# Altium PCB carrier_bak.PcbDoc (part 4 of 5) (continued)
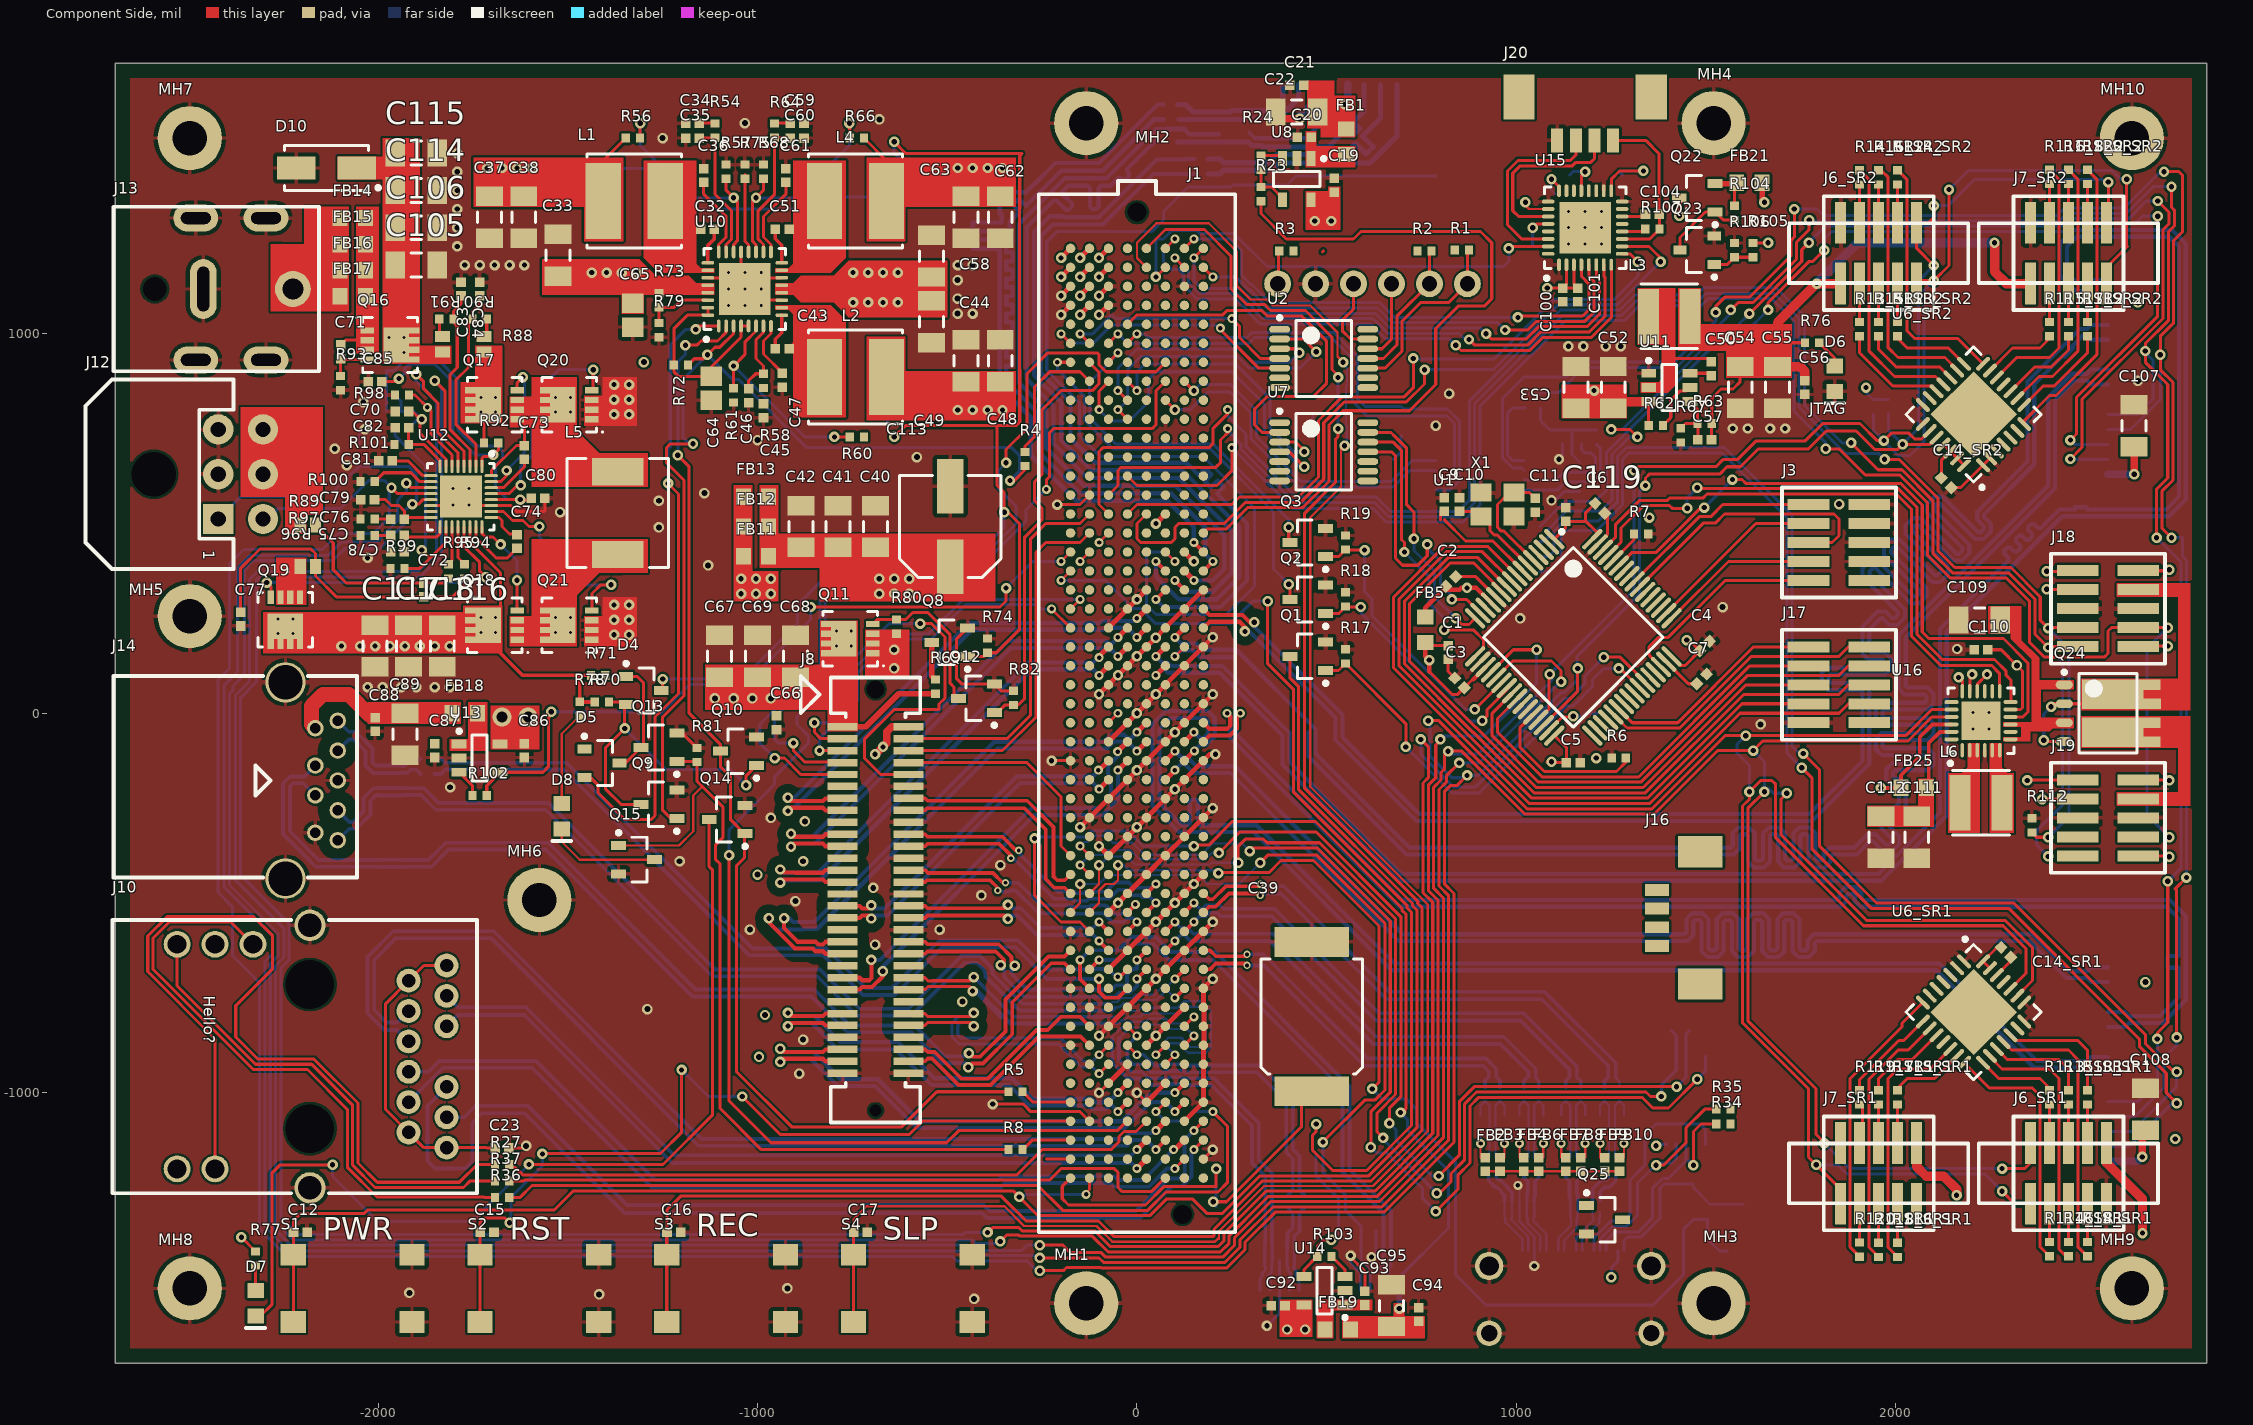
[diagram p0: Component Side view]
## Nets (pads, with @x,y where several pads share a name; then routed paths per layer and width w, separated by ;. In a path a pad name is that pad's centre, name@x,y a point inside that pad or via, vN(x,y) a via of type N, cw(c..) or ccw(c..) an arc to the next point about the centre after c; other vN are vias at no path point) (continued)
  Power_layer1 w20: v1(2385.83,-226.77) 2385.83,-165.35 2314.96,-94.49 2314.96,27.56 2271.65,70.87 2212.6,70.87 2200.79,82.68 v1(2200.79,102.36) 2200.79,114.17 2330.71,244.09 2330.71,259.84 v1(2397.64,326.77)
NetJ18_9: J18.9 J19.9 U16.16 | length 1497.8
  Component Side w8: U16.16@2214.57,58.07 2214.57,76.77 v1(2240.16,102.36) ; J19.9@2639.06,-175.59 2725.98,-175.59 2724.41,-177.16 v1(2720.47,-177.16) ; J18.9@2639.06,375.59 2718.11,375.59 v1(2720.47,377.95)
  Power_layer1 w20: v1(2240.16,102.36) 2300.41,102.36 2312.22,90.55 2350.39,90.55 ; v1(2720.47,-177.16) 2444.88,-177.16 2350.39,-82.68 2350.39,90.55 ; v1(2720.47,377.95) 2622.05,279.53 2401.57,279.53 2366.14,244.09 2366.14,106.3 2350.39,90.55
NetJ18_10: J18.10 J19.10 U16.18 | length 1022
  Component Side w8: v1(2165.35,94.49) 2175.2,84.65 U16.18@2175.2,58.07 ; v1(2346.46,-177.17) 2348.03,-175.59 J19.10@2479.06,-175.59 ; v1(2397.64,374.02) 2477.48,374.02 J18.10@2479.06,375.59
  Power_layer1 w20: v1(2346.46,-177.17) 2346.46,-173.23 2283.46,-110.24 2283.46,15.75 2259.84,39.37 2192.91,39.37 2165.35,66.93 v1(2165.35,94.49) 2165.35,125.98 2291.34,251.97 2291.34,275.59 2389.76,374.02 v1(2397.64,374.02)
NetJ19_7: J19.7 Q24.C2
NetJ20_2: J20.2 U15.27 | length 477.9
  Component Side w8: U15.27@1083.66,1309.06 1005.91,1309.06 990.38,1324.58 990.38,1423.34 1009.74,1442.69 1147.53,1442.69 1156.61,1451.77 1195.87,1451.77 1205.71,1461.61 J20.2@1205.71,1509.84
NetJ20_3: J20.3 U15.30 | length 500.5
  Component Side w8: U15.30@1083.66,1250 1013.78,1250 976.38,1287.4 976.38,1429.13 1003.94,1456.69 1141.73,1456.69 1156.5,1471.46 J20.3@1156.5,1509.84
NetL6_1: L6.1 U16.5 U16.6
NetL6_2: L6.2 U16.2 U16.3
NetQ5_D: Q5.D R55.2 | length 51.6
  Solder Side w8: R55.2@-1555.12,1398.62 -1504.92,1398.62 Q5.D@-1503.94,1397.64
NetQ6_D: Q6.D R59.2 | length 51.6
  Solder Side w8: Q6.D@-562.99,836.61 -512.8,836.61 R59.2@-511.81,837.6
NetQ7_D: Q7.D R65.2 | length 51.6
  Solder Side w8: Q7.D@-562.99,1397.64 -512.8,1397.64 R65.2@-511.81,1398.62
NetQ8_D: Q8.D R69.1 | length 102.3
  Component Side w15: Q8.D@-540.8,187.01 -540.8,97.89 R69.1@-531.5,88.58
NetQ9_G: Q9.G R4.2 R72.2 U10.3 | length 2640.6
  Component Side w8: Q9.G@-1212.76,-277.4 -1228.56,-277.4 -1250,-255.96 -1250,-10 -1194,46 -1194,614 -1240,660 -1240,700 -1230,710 v1(-1170,710) ; R72.2@-1183.16,917.48 -1166.43,934.21 -1142.56,934.21 v1(-1131.89,944.88) -1112.2,964.57 -1099.41,964.57 -1062.99,1000.98 U10.3@-1062.99,1020.67 ; v1(-334.65,613.11) -323.73,613.11 -295,641.84 R4.2@-295,651.3
  Solder Side w8: v1(-1170,710) -1180,710 -1196,726 -1196,880.77 v1(-1131.89,944.88) -1066.93,879.92 -1049.92,879.92 -870,700 -330.16,700 -310,679.84 -310,637.76 v1(-334.65,613.11)
NetQ10_D: Q10.D Q14.G R5.2 U10.2 | length 2960.8
  Component Side w8: v1(-1210,680) -1180,650 -1180,0 -1097.24,-82.76 Q10.D@-1097.24,-100 -1097.24,-141.65 -1070.87,-168.03 -1070.87,-280.71 Q14.G@-1034.17,-317.4 ; v1(-1190,970) -1160,970 -1148.7,981.3 -1105.32,981.3 -1082.68,1003.94 U10.2@-1082.68,1020.67 ; Q14.G@-1032.76,-317.4 Q14.G@-1033.46,-317.4 ; R5.2@-338.7,-997.46 -527.46,-997.46 -620,-1090 -910,-1090 -1055.12,-944.88 -1055.12,-401.57 -1034.17,-380.63 Q14.G@-1034.17,-317.4 ; Q14.G@-1034.17,-317.4 -1033.46,-316.69 Q14.G@-1033.46,-317.4 ; Q14.G@-1034.17,-317.4 Q14.G@-1033.46,-317.4
  Solder Side w8: v1(-1210,680) -1210,925.83 -1190,945.83 v1(-1190,970)
NetQ11_G: Q11.G Q12.D R80.1 | length 417.5
  Component Side w8: Q11.G@-696.26,235.24 -684.45,247.05 R80.1@-633.86,247.05 -609.25,247.05 -590.55,265.75 -551.18,265.75 -492.13,206.69 -492.13,78.74 -482.28,68.9 -482.28,51.18 Q12.D@-470.47,39.37
NetQ13_G: Q13.G Q15.G R8.2 R81.1 | length 2149.9
  Component Side w6: Q15.G@-1366.14,-348.43 -1206.69,-348.43 -1169.29,-311.02 -1169.29,-216.54 -1145.67,-192.91
  Component Side w8: Q13.G@-1212.76,-127.4 -1161.3,-127.4 R81.1@-1160,-128.7 ; R81.1@-1160,-131.65 -1160,-178.58 -1145.67,-192.91 -1090.55,-248.03 -1090.55,-326.61 -1110.24,-346.3 -1110.24,-385.83 -1098.58,-397.48 -1098.58,-1041.42 -990,-1150 R8.2@-338.7,-1150
NetQ17_G: Q17.G U12.31 | length 371
  Component Side w8: U12.31@-1701.77,610.24 -1677.17,610.24 -1661.42,625.98 v1(-1661.42,639.76) ; Q17.G@-1633.27,851.38 -1633.27,870.67 v1(-1618.11,885.83)
  Solder Side w8: v1(-1661.42,639.76) -1614.17,687.01 -1614.17,885.83 v1(-1618.11,885.83)
NetQ18_G: Q18.G U12.24 | length 270.6
  Component Side w8: U12.24@-1726.38,491.14 -1726.38,474.41 -1716.54,464.57 -1696.85,464.57 v1(-1677.17,444.88) ; v1(-1633.86,350.39) -1633.86,271.26 Q18.G@-1633.27,270.67
  Solder Side w8: v1(-1677.17,444.88) -1633.86,401.57 v1(-1633.86,350.39)
NetQ19_G: Q19.G U12.21 | length 788.8
  Component Side w8: v1(-2293.31,344.49) -2282.48,333.66 Q19.G@-2282.48,305.71 ; U12.21@-1773.62,491.14 -1773.62,438.98 -1732.28,397.64 -1732.28,374.02 v1(-1716.54,358.27)
  Solder Side w8: v1(-2293.31,344.49) -1746.06,344.49 -1724.41,366.14 v1(-1716.54,358.27)
NetQ20_G: Q20.G U12.29 | length 579.5
  Component Side w8: U12.29@-1701.77,578.74 -1655,578.74 -1633.34,600.4 v1(-1624.01,600.4) ; Q20.G@-1436.42,851.38 -1433.07,854.72 v1(-1433.07,905.51)
  Solder Side w8: v1(-1624.01,600.4) -1624.01,649.61 -1594.49,679.13 -1594.49,834.65 -1523.62,905.51 v1(-1433.07,905.51)
NetQ21_G: Q21.G U12.26 | length 517
  Component Side w8: U12.26@-1701.77,531.5 -1669.29,531.5 -1645.67,507.87 -1618.11,507.87 -1602.36,492.13 v1(-1574.8,492.13) ; Q21.G@-1436.42,270.67 -1436.42,315.55 -1413.39,338.58 v1(-1385.83,338.58)
  Solder Side w8: v1(-1574.8,492.13) -1574.8,464.57 -1448.82,338.58 v1(-1385.83,338.58)
NetQ22_G: Q22.G Q23.C R104.1 | length 213.4
  Component Side w8: Q23.C@1431.1,1220.47 1431.1,1253.94 1498.03,1320.87 Q22.G@1523.62,1320.87 1544.29,1300.2 R104.1@1574.8,1300.2
NetQ23_B: Q23.B R105.2 R106.2 | length 110.1
  Component Side w8: Q23.B@1521.65,1183.07 1556.1,1183.07 R106.2@1574.8,1201.77 R105.2@1624.02,1201.77
NetR6_2: R6.2 U1.28 | length 427.9
  Component Side w8: U1.28@1044.21,-3.22 1008.87,-38.56 1008.87,-89.08 1073.55,-153.75 1263.57,-153.75 1288.39,-128.94 R6.2@1288.39,-118.11
NetR7_2: R7.2 U1.60 | length 91.7
  Component Side w8: U1.60@1255.79,403.22 1310.04,457.48 R7.2@1310.04,472.44
NetR11_1: R11.1 U3.22 U4.13 | length 301.4
  Solder Side w8: U4.13@1020.14,588.82 1108.82,588.82 1129.57,609.57 U3.22@1167.64,609.57 1200.12,609.57 1222,631.45 1222,697.29 R11.1@1210.63,708.66
NetR12_1: R12.1 U3.23 U4.12 | length 289.5
  Solder Side w8: U4.12@1020.14,614.41 1104.41,614.41 1125.16,635.16 U3.23@1167.64,635.16 1197.71,635.16 1208,645.45 1208,674.51 1197.16,685.35 1181.1,685.35 1171.26,695.2 R12.1@1171.26,709.65
NetR13_SR1_1: R13_SR1.1 U6_SR1.19 | length 324.9
  Component Side w8: U6_SR1.19@2302.16,-848.65 2315.91,-862.4 2479.72,-862.4 2504.72,-887.4 R13_SR1.1@2504.72,-993.7
NetR13_SR2_1: R13_SR2.1 U6_SR2.19 | length 288.5
  Component Side w8: R13_SR2.1@1904.72,993.7 1904.72,949.61 1991.93,862.4 2093.53,862.4 U6_SR2.19@2107.29,848.65
NetR14_SR1_1: R14_SR1.1 U6_SR1.18 | length 743.6
  Component Side w8: U6_SR1.18@2284.07,-866.74 2304.72,-887.4 2454.72,-887.4 2479.72,-912.4 2479.72,-1406.1 R14_SR1.1@2504.72,-1431.1
NetR14_SR2_1: R14_SR2.1 U6_SR2.18 | length 719.2
  Component Side w8: R14_SR2.1@1904.72,1431.1 1929.72,1406.1 1929.72,954.13 1996.46,887.4 2104.72,887.4 U6_SR2.18@2125.38,866.74
NetR15_SR1_1: R15_SR1.1 U6_SR1.17 | length 266.8
  Component Side w8: U6_SR1.17@2265.97,-884.84 2293.53,-912.4 2429.72,-912.4 2454.72,-937.4 R15_SR1.1@2454.72,-993.7
NetR15_SR2_1: R15_SR2.1 U6_SR2.17 | length 254.4
  Component Side w8: R15_SR2.1@1954.72,993.7 1954.72,958.66 2000.98,912.4 2115.92,912.4 U6_SR2.17@2143.48,884.84
NetR16_SR1_1: R16_SR1.1 U6_SR1.16 | length 690.8
  Component Side w8: U6_SR1.16@2247.87,-902.93 2247.87,-905.55 2279.72,-937.4 2404.72,-937.4 2429.72,-962.4 2429.72,-1412.4 2448.43,-1431.1 R16_SR1.1@2454.72,-1431.1
NetR16_SR2_1: R16_SR2.1 U6_SR2.16 | length 690.3
  Component Side w8: R16_SR2.1@1954.72,1431.1 1961.02,1431.1 1979.72,1412.4 1979.72,963.19 2005.51,937.4 2129.72,937.4 2161.57,905.55 U6_SR2.16@2161.57,902.93
NetR21_2: R21.2 U4.10 | length 213.5
  Solder Side w8: U4.10@1020.14,665.59 990.38,665.59 976.83,679.13 976.83,791.8 989.17,804.13 R21.2@1023.62,804.13
NetR23_2: R23.2 R24.1 U8.4 | length 117.4
  Component Side w8: R24.1@326.77,1432.09 R23.2@326.77,1386.81 354.33,1386.81 U8.4@385.83,1355.32
NetR24_2: R24.2 U8.3 | length 61.5
  Component Side w8: R24.2@326.77,1469.49 379.92,1469.49 U8.3@385.83,1463.58
NetR56_2: R56.2 R57.1 U10.22 | length 611.2
  Component Side w8: R56.2@-1310.04,1515.75 -1310.04,1554.13 v1(-1309.06,1555.12) ; R57.1@-1082.68,1408.46 -1082.68,1377.95 v1(-1062.99,1358.27) -1053.15,1348.43 -1053.15,1244.85 -1062.99,1235.01 U10.22@-1062.99,1215.55
  Solder Side w8: v1(-1309.06,1555.12) -1309.06,1496.06 -1171.26,1358.27 v1(-1062.99,1358.27)
NetR60_2: R60.2 R61.1 U10.6 | length 572.4
  Component Side w8: R61.1@-1062.99,856.3 v1(-1062.99,915.35) -1033.46,944.88 -1033.46,977.74 -1003.94,1007.27 U10.6@-1003.94,1020.67 ; v1(-797.24,728.35) R60.2@-756.89,728.35
  Solder Side w8: v1(-1062.99,915.35) -875.98,728.35 v1(-797.24,728.35)
NetR62_2: R62.2 U11.5 | length 139.5
  Component Side w8: R62.2@1386.1,758.27 1406.77,778.94 1406.77,825.2 1430.39,848.82 1447.13,848.82 U11.5@1456.97,858.66
NetR66_2: R66.2 R68.1 U10.19 | length 611.2
  Component Side w8: U10.19@-1003.94,1215.55 -1003.94,1235.01 -1013.78,1244.85 -1013.78,1348.43 v1(-1003.94,1358.27) -984.25,1377.95 R68.1@-984.25,1408.46 ; v1(-757.87,1555.12) -756.89,1554.13 R66.2@-756.89,1515.75
  Solder Side w8: v1(-1003.94,1358.27) -895.67,1358.27 -757.87,1496.06 v1(-757.87,1555.12)
NetR73_1: R73.1 R79.2 U10.30 | length 176.1
  Component Side w8: R79.2@-1259.84,1028.54 R73.1@-1259.84,1067.91 ; R73.1@-1259.84,1069.88 -1219.49,1069.88 -1200.79,1088.58 U10.30@-1130.91,1088.58
NetR75_2: R75.2 U10.20 | length 207.8
  Component Side w8: R75.2@-1033.46,1419.29 R75.2@-1033.46,1408.46 -1033.46,1244.74 -1023.62,1234.89 U10.20@-1023.62,1215.55
NetR85_2: R85.2 R98.1 U12.6 | length 305.8
  Component Side w8: R98.1@-1918.31,838.58 -1902.56,838.58 -1898.62,834.65 v6(-1870.08,806.1) -1860,796.02 -1860,735.98 -1805.12,681.1 U12.6@-1805.12,650.59
  Solder Side w8: R85.2@-1918.31,838.58 -1902.56,838.58 v6(-1870.08,806.1)
NetR86_2: R86.2 R99.1 U12.18 | length 570.3
  Component Side w8: R99.1@-1930.12,381.89 -1889.76,381.89 -1860,411.65 ; v1(-1885,430) -1866.65,411.65 -1860,411.65 ; U12.18@-1820.87,491.14 -1820.87,450.79 -1860,411.65
  Solder Side w8: R86.2@-1955.71,751.97 -1955.71,732.28 -1875,651.57 -1875,440 v1(-1885,430)
NetR88_S1: R88.S1 R91.2 | length 49.9
  Component Side w8: R88.S1@-1720.91,992.52 -1713.58,999.84 R91.2@-1713.58,1039.37
NetR88_S2: R88.S2 R90.2 | length 50.3
  Component Side w8: R90.2@-1838.58,1039.37 -1838.58,1000.83 R88.S2@-1830.28,992.52
NetR94_1: R94.1 U12.20 | length 105.8
  Component Side w8: U12.20@-1789.37,491.14 -1789.37,410.43 R94.1@-1771.65,392.72
NetR95_1: R95.1 U12.19 | length 102.5
  Component Side w8: R95.1@-1814.96,392.72 -1805.12,402.56 U12.19@-1805.12,491.14
NetR100_2: R100.2 U12.10 | length 167.2
  Component Side w8: R100.2@-2008.86,610.24 -1985.24,633.86 -1913.39,633.86 -1889.76,610.24 U12.10@-1861.22,610.24
NetR102_2: R102.2 U13.3 | length 75.7
  Component Side w8: U13.3@-1786.42,-155.51 -1750.98,-190.94 R102.2@-1750.98,-216.54
NetR103_2: R103.2 U14.3 | length 67.8
  Component Side w8: R103.2@512.8,-1431.1 548.23,-1466.54 U14.3@548.23,-1484.25
NetR107_2: R107.2 U15.12 | length 63.5
  Component Side w8: U15.12@1278.54,1269.69 1333.66,1269.69 R107.2@1339.57,1275.59
NetR113_SR1_1: R113_SR1.1 U6_SR1.15 | length 208.7
  Component Side w8: U6_SR1.15@2229.78,-921.03 2271.15,-962.4 2379.72,-962.4 2404.72,-987.4 R113_SR1.1@2404.72,-993.7
NetR113_SR2_1: R113_SR2.1 U6_SR2.15 | length 208.7
  Component Side w8: R113_SR2.1@2004.72,993.7 2004.72,987.4 2029.72,962.4 2138.3,962.4 U6_SR2.15@2179.67,921.03
NetR114_SR1_1: R114_SR1.1 U6_SR1.14 | length 669.9
  Component Side w8: U6_SR1.14@2179.67,-921.03 2246.04,-987.4 2359.72,-987.4 2379.72,-1007.4 2379.72,-1406.1 R114_SR1.1@2404.72,-1431.1
NetR114_SR2_1: R114_SR2.1 U6_SR2.14 | length 669.9
  Component Side w8: R114_SR2.1@2004.72,1431.1 2029.72,1406.1 2029.72,1007.4 2049.72,987.4 2163.41,987.4 U6_SR2.14@2229.78,921.03
NetR115_SR1_1: R115_SR1.1 U6_SR1.13 | length 198.1
  Component Side w8: R115_SR1.1@2004.72,-993.7 2004.72,-987.4 2029.72,-962.4 2102.11,-962.4 U6_SR1.13@2161.57,-902.93
NetR115_SR2_1: R115_SR2.1 U6_SR2.13 | length 198.1
  Component Side w8: U6_SR2.13@2247.87,902.93 2307.34,962.4 2379.72,962.4 2404.72,987.4 R115_SR2.1@2404.72,993.7
NetR116_SR1_1: R116_SR1.1 U6_SR1.12 | length 676.9
  Component Side w8: R116_SR1.1@2004.72,-1433.07 1979.72,-1408.07 1979.72,-962.4 2004.72,-937.4 2090.92,-937.4 U6_SR1.12@2143.48,-884.84
NetR116_SR2_1: R116_SR2.1 U6_SR2.12 | length 675.9
  Component Side w8: U6_SR2.12@2265.97,884.84 2318.53,937.4 2404.72,937.4 2429.72,962.4 2429.72,1407.09 R116_SR2.1@2404.72,1432.09
NetR117_SR1_1: R117_SR1.1 U6_SR1.10 | length 230.9
  Component Side w8: R117_SR1.1@1954.72,-993.7 1954.72,-962.6 2004.92,-912.4 2043.53,-912.4 U6_SR1.10@2107.29,-848.65
NetR117_SR2_1: R117_SR2.1 U6_SR2.10 | length 233.9
  Component Side w8: U6_SR2.10@2302.16,848.65 2365.91,912.4 2409.73,912.4 2454.72,957.39 R117_SR2.1@2454.72,993.7
NetR118_SR1_1: R118_SR1.1 U6_SR1.9 | length 694.2
  Component Side w8: R118_SR1.1@1954.72,-1433.07 1929.72,-1408.07 1929.72,-963.98 2006.3,-887.4 2032.34,-887.4 U6_SR1.9@2089.19,-830.55
NetR118_SR2_1: R118_SR2.1 U6_SR2.9 | length 699
  Component Side w8: U6_SR2.9@2320.26,830.55 2377.11,887.4 2412.99,887.4 2479.72,954.13 2479.72,1407.09 R118_SR2.1@2454.72,1432.09
NetR119_SR1_1: R119_SR1.1 U6_SR1.8 | length 258.1
  Component Side w8: R119_SR1.1@1904.72,-993.7 1904.72,-965.35 2007.68,-862.4 2021.15,-862.4 U6_SR1.8@2071.1,-812.46
NetR119_SR2_1: R119_SR2.1 U6_SR2.8 | length 267.3
  Component Side w8: U6_SR2.8@2338.35,812.46 2388.3,862.4 2417.52,862.4 2504.72,949.61 R119_SR2.1@2504.72,993.7
NetR120_SR1_1: R120_SR1.1 U6_SR1.7 | length 759.4
  Component Side w8: R120_SR1.1@1904.72,-1432.09 1879.72,-1407.09 1879.72,-962.8 2015.75,-826.77 2015.75,-817.7 U6_SR1.7@2071.1,-762.35
NetR120_SR2_1: R120_SR2.1 U6_SR2.7 | length 769.5
  Component Side w8: U6_SR2.7@2338.35,762.35 2338.35,771.03 2404.72,837.4 2422.05,837.4 2529.72,945.08 2529.72,1407.09 R120_SR2.1@2504.72,1432.09
NetSPK1_1: SPK1.1 U15.19 U15.23
NetSPK1_2: SPK1.2 U15.22 U15.26 | length 75.3
  Component Side w6: v1(1023.62,1346.46) 1019.68,1342.52 1033.46,1328.74 U15.26@1083.66,1328.74
NetU1_59: U1.59 U16.10 | length 1748.1
  Component Side w8: U1.59@1269.71,389.3 1303.63,423.23 1367.35,423.23 1485.46,541.34 v1(1495.3,541.95) ; v1(1569.2,615.84) 1594.49,615.84 1604.33,606 2012.34,606 2069.56,548.78 2069.56,214.13 2086.84,196.85 2283.46,196.85 2347.65,132.67 2347.65,3.16 2334.65,-9.84 U16.10@2302.17,-9.84
  Solder Side w8: v1(1495.3,541.95) v1(1569.2,615.84)
NetU1_61: U1.61 U16.12 | length 1651.7
  Component Side w8: U1.61@1241.87,417.14 1275.59,450.87 1275.59,488.19 1334.43,547.02 1403.44,547.02 1410.46,540 v1(1450,540) ; v1(1476.38,594.49) 1478.87,592 2006.54,592 2055.56,542.98 2055.56,208.33 2122.16,141.73 2259.84,141.73 2290.69,110.88 2290.69,100.15 2303.15,87.69 2303.15,28.54 U16.12@2302.17,29.53
  Solder Side w8: v1(1450,540) 1450,568.11 v1(1476.38,594.49)
NetU1_62: U1.62 U16.13 | length 1564.7
  Component Side w8: U1.62@1227.95,431.06 1261.59,464.7 1261.59,497.81 1324.8,561.02 1397.64,561.02 1403.7,567.09 1442.92,567.09 1443.08,566.93 1491.25,566.93 1502.32,578 2000.74,578 2041.56,537.18 2041.56,202.54 2118.11,125.98 2171.09,125.98 2171.25,126.14 2251.81,126.14 2273.62,104.33 U16.13@2273.62,58.07
nJRST: J3.10 U1.56 | length 542.4
  Component Side w8: U1.56@1311.47,347.55 1482.09,518.17 1512.15,518.17 1543.98,550 J3.10@1770,550
NVM_BATLOW: Q3.G R19.2 U1.22 | length 764.8
  Component Side w8: Q3.G@497.24,412.6 531.3,412.6 R19.2@550,431.3 551.3,430 v1(600,430) ; v1(890,10) 890.4,10 U1.22@960.7,80.29
  Solder Side w8: v1(600,430) 600,320 620,300 620,256.37 866.37,10 v1(890,10)
NVM_BATTOC: U1.15 U7.11 | length 741
  Component Side w8: U7.11@608.27,688.98 671.02,688.98 681.19,678.81 681.19,408.81 700,390 740.2,390 765,414.8 v1(765,445) ; v1(830,300) 869.05,300 U1.15@905.02,264.03
  Solder Side w8: v1(765,445) 765,435 800,400 800,340 830,310 v1(830,300)
NVM_CHARGE: Q2.G R18.2 U1.23 | length 667.1
  Component Side w8: Q2.G@497.24,262.6 531.3,262.6 R18.2@550,281.3 551.3,280 v1(590,280) ; v1(910,-20) 922,-8 922,8.41 974.62,61.03 U1.23@974.62,66.37
  Solder Side w8: v1(590,280) 590,265.2 875.2,-20 v1(910,-20)
NVM_RX7: U1.16 U7.13 | length 686.4
  Component Side w8: U7.13@608.27,740.16 669.29,740.16 680.88,728.57 681,728.57 710.85,698.71 710.85,549.15 730,530 v1(730,460) ; v1(840,250) 856,234 874.99,234 U1.16@891.1,250.11
  Solder Side w8: v1(730,460) 730,429 784,375 784,306 v1(840,250)
NVM_SCK: J1.C15 J18.2 J19.2 | length 4641
  Component Side w8: J1.C15@-75,525 -100,550 -100,690 -90,700 190,700 200,710 200,750 239,789 v2(239,800) ; v1(1881.89,712.6) 1952.76,641.73 2016.2,641.73 2097.56,560.38 2097.56,422.01 2149.71,369.86 2297.46,369.86 2366.52,300.8 2366.52,208.28 v1(2401.57,173.23) 2403.94,175.59 J18.2@2479.06,175.59
  Solder Side w8: v2(239,800) 239,783.63 286.96,735.67 286.96,716.75 287.78,715.93 287.78,702.22 420,570 630.79,570 668.9,531.89 846.85,531.89 875.98,561.02 875.98,822.25 1116.29,1062.55 1272.35,1062.55 1312.16,1102.36 1475.67,1102.36 1495.35,1122.05 1671.7,1122.05 1673.23,1120.52 1684.83,1120.52 1759.3,1046.05 1759.3,994.09 1759.73,993.66 1759.73,811.02 1858.16,712.6 v1(1881.89,712.6) ; v1(2401.57,-377.17) 2370.08,-345.67 2370.08,-311.02 2438.76,-242.35 2438.76,136.05 v1(2401.57,173.23)
NVM_SD: J1.C14 J18.4 J19.4 R112.2 | length 4465.7
  Component Side w8: J1.C14@-75,575 -50,600 -50,640 -42,648 208,648 220.2,660.2 220.2,720.2 244.5,744.5 v2(239,750) ; v1(1970.16,669.29) 2008.44,669.29 2111.56,566.18 2111.56,427.81 2155.51,383.86 2303.26,383.86 2380.52,306.6 2380.52,245.46 v1(2401.57,224.41) 2402.76,225.59 J18.4@2479.06,225.59 ; R112.2@2358.27,-313.98 2371.06,-326.77 v1(2401.57,-326.77)
  Solder Side w8: v2(239,750) 239,744.63 273.78,709.85 273.78,696.42 414.2,556 624.99,556 663.1,517.89 852.65,517.89 889.98,555.22 889.98,816.45 1122.09,1048.55 1278.15,1048.55 1317.96,1088.36 1481.47,1088.36 1499.63,1106.52 1679.03,1106.52 1745.3,1040.25 1745.3,805.66 1865.92,685.04 1954.41,685.04 v1(1970.16,669.29) ; v1(2401.57,-326.77) 2456.69,-271.65 2456.69,169.29 v1(2401.57,224.41)
NVM_START: Q1.G R17.2 U1.42 | length 1180.8
  Component Side w8: Q1.G@497.24,112.6 531.3,112.6 R17.2@550,131.3 708.66,-27.36 v1(708.66,-88.58) ; v1(1269.69,118.11) 1273.65,118.11 U1.42@1325.38,66.37
  Solder Side w8: v1(708.66,-88.58) 830.08,-210 902.32,-210 1132,19.68 1149.61,19.68 1200.79,70.87 1200.79,88.58 1230.31,118.11 v1(1269.69,118.11)
NVM_TX7: U1.17 U7.12 | length 784.2
  Component Side w8: U7.12@608.27,714.57 675.2,714.57 696.85,692.91 696.85,458.15 705,450 v1(705,425) ; v1(810,220) 886.3,220 913.39,192.91 913.39,172.18 U1.17@891.1,149.89
  Solder Side w8: v1(705,425) 770,360 770,290 810,250 v1(810,220)
NVM_WS: J1.D13 J18.3 J19.3 | length 4657.3
  Component Side w8: J1.D13@-25,625 0,600 211,600 250,639 v2(250,700) ; v1(1814.96,696.85) 1850.39,696.85 1919.51,627.73 2010.4,627.73 2083.56,554.58 2083.56,416.21 2143.91,355.86 2291.67,355.86 2352.36,295.16 2352.36,187.01 2391.73,147.64 2549.21,147.64 2559.06,157.48 2559.06,216.54 2568.11,225.59 J18.3@2639.06,225.59 v1(2716.54,225.59)
  Solder Side w8: v2(250,700) 250.4,700 410.4,540 621.19,540 657.3,503.89 858.45,503.89 903.98,549.43 903.98,809.17 1129.36,1034.55 1283.95,1034.55 1323.76,1074.36 1487.27,1074.36 1505.42,1092.52 1673.23,1092.52 1731.3,1034.45 1731.3,796.26 1814.96,712.6 v1(1814.96,696.85) ; v1(2716.54,225.59) 2661.42,170.47 2661.42,-267.72 v1(2720.47,-326.77)
PROCHOT: U1.21 U12.11 | length 7386.9
  Component Side w8: v1(-1925.2,606.3) -1913.39,594.49 U12.11@-1861.22,594.49 ; v1(-255.91,-1435.43) -99.9,-1435.43 -87.9,-1447.43 231.56,-1447.43 270.97,-1408.02 270.97,-1388.42 358.44,-1300.96 645.03,-1300.96 821.54,-1124.45 821.54,-480.96 796,-455.41 796,-201 815.4,-181.6 815.4,-164.98 v1(849.42,-130.97) ; U1.21@946.78,94.21 990.36,137.8 1092.52,137.8 1117.71,112.61 v1(1117.71,82.83) v1@1111.39,82.83
  Solder Side w8: v1(-1925.2,606.3) -1925.2,584.65 -1948.82,561.02 -1948.82,506.78 -2003.75,451.85 -2095.41,451.85 -2130.92,416.35 -2338.46,416.35 -2370.47,384.34 -2370.47,108.75 -2405.73,73.49 -2405.73,-458.55 -2277.78,-586.51 -2277.78,-633.74 -2298.09,-654.05 -2298.09,-1353.71 -2234.48,-1417.32 -462.6,-1417.32 -450.3,-1429.62 -261.79,-1429.62 -255.98,-1435.43 v1(-255.91,-1435.43) ; v1@849.42,-130.92 849.47,-130.87 883,-130.87 883.05,-130.92 901.45,-130.92 1115.2,82.83 v1(1117.71,82.83)
S0_SR1: J6_SR1.3 R13_SR1.2 | length 101.3
  Component Side w8: J6_SR1.3@2504.72,-1132.4 R13_SR1.2@2504.72,-1031.1
S0_SR2: J6_SR2.3 R13_SR2.2 | length 101.3
  Component Side w8: R13_SR2.2@1904.72,1031.1 J6_SR2.3@1904.72,1132.4
S1_SR1: J6_SR1.4 R14_SR1.2 | length 101.3
  Component Side w8: R14_SR1.2@2504.72,-1393.7 J6_SR1.4@2504.72,-1292.4
S1_SR2: J6_SR2.4 R14_SR2.2 | length 101.3
  Component Side w8: J6_SR2.4@1904.72,1292.4 R14_SR2.2@1904.72,1393.7
S2_SR1: J6_SR1.5 R15_SR1.2 | length 101.3
  Component Side w8: J6_SR1.5@2454.72,-1132.4 R15_SR1.2@2454.72,-1031.1
S2_SR2: J6_SR2.5 R15_SR2.2 | length 101.3
  Component Side w8: R15_SR2.2@1954.72,1031.1 J6_SR2.5@1954.72,1132.4
S3_SR1: J6_SR1.6 R16_SR1.2 | length 101.3
  Component Side w8: R16_SR1.2@2454.72,-1393.7 J6_SR1.6@2454.72,-1292.4
S3_SR2: J6_SR2.6 R16_SR2.2 | length 101.3
  Component Side w8: J6_SR2.6@1954.72,1292.4 R16_SR2.2@1954.72,1393.7
S4_SR1: J6_SR1.7 R113_SR1.2 | length 101.3
  Component Side w8: J6_SR1.7@2404.72,-1132.4 R113_SR1.2@2404.72,-1031.1
S4_SR2: J6_SR2.7 R113_SR2.2 | length 101.3
  Component Side w8: R113_SR2.2@2004.72,1031.1 J6_SR2.7@2004.72,1132.4
S5_SR1: J6_SR1.8 R114_SR1.2 | length 101.3
  Component Side w8: R114_SR1.2@2404.72,-1393.7 J6_SR1.8@2404.72,-1292.4
S5_SR2: J6_SR2.8 R114_SR2.2 | length 101.3
  Component Side w8: J6_SR2.8@2004.72,1292.4 R114_SR2.2@2004.72,1393.7
S6_SR1: J7_SR1.3 R115_SR1.2 | length 101.3
  Component Side w8: J7_SR1.3@2004.72,-1132.4 R115_SR1.2@2004.72,-1031.1
S6_SR2: J7_SR2.3 R115_SR2.2 | length 101.3
  Component Side w8: R115_SR2.2@2404.72,1031.1 J7_SR2.3@2404.72,1132.4
S7_SR1: J7_SR1.4 R116_SR1.2 | length 103.3
  Component Side w8: R116_SR1.2@2004.72,-1395.67 J7_SR1.4@2004.72,-1292.4
S7_SR2: J7_SR2.4 R116_SR2.2 | length 102.3
  Component Side w8: J7_SR2.4@2404.72,1292.4 R116_SR2.2@2404.72,1394.69
S8_SR1: J7_SR1.5 R117_SR1.2 | length 101.3
  Component Side w8: J7_SR1.5@1954.72,-1132.4 R117_SR1.2@1954.72,-1031.1
S8_SR2: J7_SR2.5 R117_SR2.2 | length 101.3
  Component Side w8: R117_SR2.2@2454.72,1031.1 J7_SR2.5@2454.72,1132.4
S9_SR1: J7_SR1.6 R118_SR1.2 | length 103.3
  Component Side w8: R118_SR1.2@1954.72,-1395.67 J7_SR1.6@1954.72,-1292.4
S9_SR2: J7_SR2.6 R118_SR2.2 | length 102.3
  Component Side w8: J7_SR2.6@2454.72,1292.4 R118_SR2.2@2454.72,1394.69
S10_SR1: J7_SR1.7 R119_SR1.2 | length 101.3
  Component Side w8: J7_SR1.7@1912.6,-1132.4 R119_SR1.2@1912.6,-1031.1
S10_SR2: J7_SR2.7 R119_SR2.2 | length 101.3
  Component Side w8: R119_SR2.2@2504.72,1031.1 J7_SR2.7@2504.72,1132.4
S11_SR1: J7_SR1.8 R120_SR1.2 | length 102.3
  Component Side w8: R120_SR1.2@1904.72,-1394.68 J7_SR1.8@1904.72,-1292.4
S11_SR2: J7_SR2.8 R120_SR2.2 | length 102.3
  Component Side w8: J7_SR2.8@2504.72,1292.4 2504.72,1386.81 R120_SR2.2@2504.72,1394.69
SATA_RX_N: J1.G45 J8.55 | length 1356.3
  Component Side w11: v1(-940,-884.3) -931.72,-892.57 -827.21,-892.57 -820.46,-885.83 J8.55@-775.59,-885.83 ; v2(100,-1000) J1.G45@125,-975
  Solder Side w11: v1(-940,-884.3) -931.72,-892.57 -852.54,-892.57 -780.55,-964.57 -683.21,-964.57 -572.49,-1075.28 -39.53,-1075.28 25.28,-1010.47 28.32,-1010.47 32.07,-1006.72 43.28,-1006.72 50,-1000 v2(100,-1000)
SATA_RX_P: J1.G46 J8.57 | length 1364
  Component Side w11: v1(-940,-918.85) -931.72,-910.57 -827.21,-910.57 -820.46,-917.32 J8.57@-775.59,-917.32 ; v2(100,-1050) J1.G46@125,-1025
  Solder Side w11: v1(-940,-918.85) -931.72,-910.57 -860,-910.57 -788.01,-982.57 -690.66,-982.57 -579.95,-1093.28 -32.07,-1093.28 32.74,-1028.47 35.78,-1028.47 39.53,-1024.72 60.47,-1024.72 60.75,-1025 75,-1025 v2(100,-1050)
SATA_TX_N: J1.D45 J8.49 | length 1164
  Component Side w11: v1(-920,-789.81) -911.72,-798.09 -827.21,-798.09 -820.46,-791.34 J8.49@-775.59,-791.34 ; v2(-50,-1000) J1.D45@-25,-975
  Solder Side w11: v1(-920,-789.81) -911.72,-798.09 -849.69,-798.09 -781.63,-866.14 -629.92,-866.14 -534.06,-962 -330,-962 -276,-1016 -119.75,-1016 -110.47,-1025.28 -89.53,-1025.28 -80.25,-1016 -66,-1016 v2(-50,-1000)
SATA_TX_P: J1.D46 J8.51 | length 1164
  Component Side w11: v1(-920,-824.37) -911.72,-816.09 -827.21,-816.09 -820.46,-822.83 J8.51@-775.59,-822.83 ; v2(-50,-1050) J1.D46@-25,-1025
  Solder Side w11: v1(-920,-824.37) -911.72,-816.09 -857.14,-816.09 -787.4,-885.83 -635.69,-885.83 -541.52,-980 -337.46,-980 -283.46,-1034 -127.21,-1034 -117.93,-1043.28 -82.07,-1043.28 -72.79,-1034 -66,-1034 v2(-50,-1050)
SDC_CLK: D15.4 J1.G18 J9.5 | length 2361.1
  Component Side w13.5: J1.G18@125,375 v2(150,350)
  Solder Side w11.5: 78.74,1539.37 49.37,1539.37 -80,1410 -190,1410 -310,1290 -310,870 -239,799 -239,699 -140,600 100,600 230,470 230,380 200,350 v2(150,350) ; 127.95,1535.43 137.8,1525.59 D15.4@171.85,1525.59 D15.4@202.17,1525.59 215.83,1525.59 ; 296.54,1529.53 311.07,1515 444.13,1515 512.01,1582.87 J9.5@512.01,1657.48
  Solder Side w13.5: 78.74,1539.37 124.02,1539.37 127.95,1535.43